# Altium PCB 400118.PcbDoc (part 3 of 3)
Units mil, origin at the board's own origin, x right, y up, seen from the top; angles counter-clockwise.
Board outline 4000 x 2500 mil, 4 copper layers (Top Layer, Mid-Layer 1, Mid-Layer 2, Bottom Layer), stack 62.293 mil thick; 195 components, 149 nets, 899 pads, 588 vias.
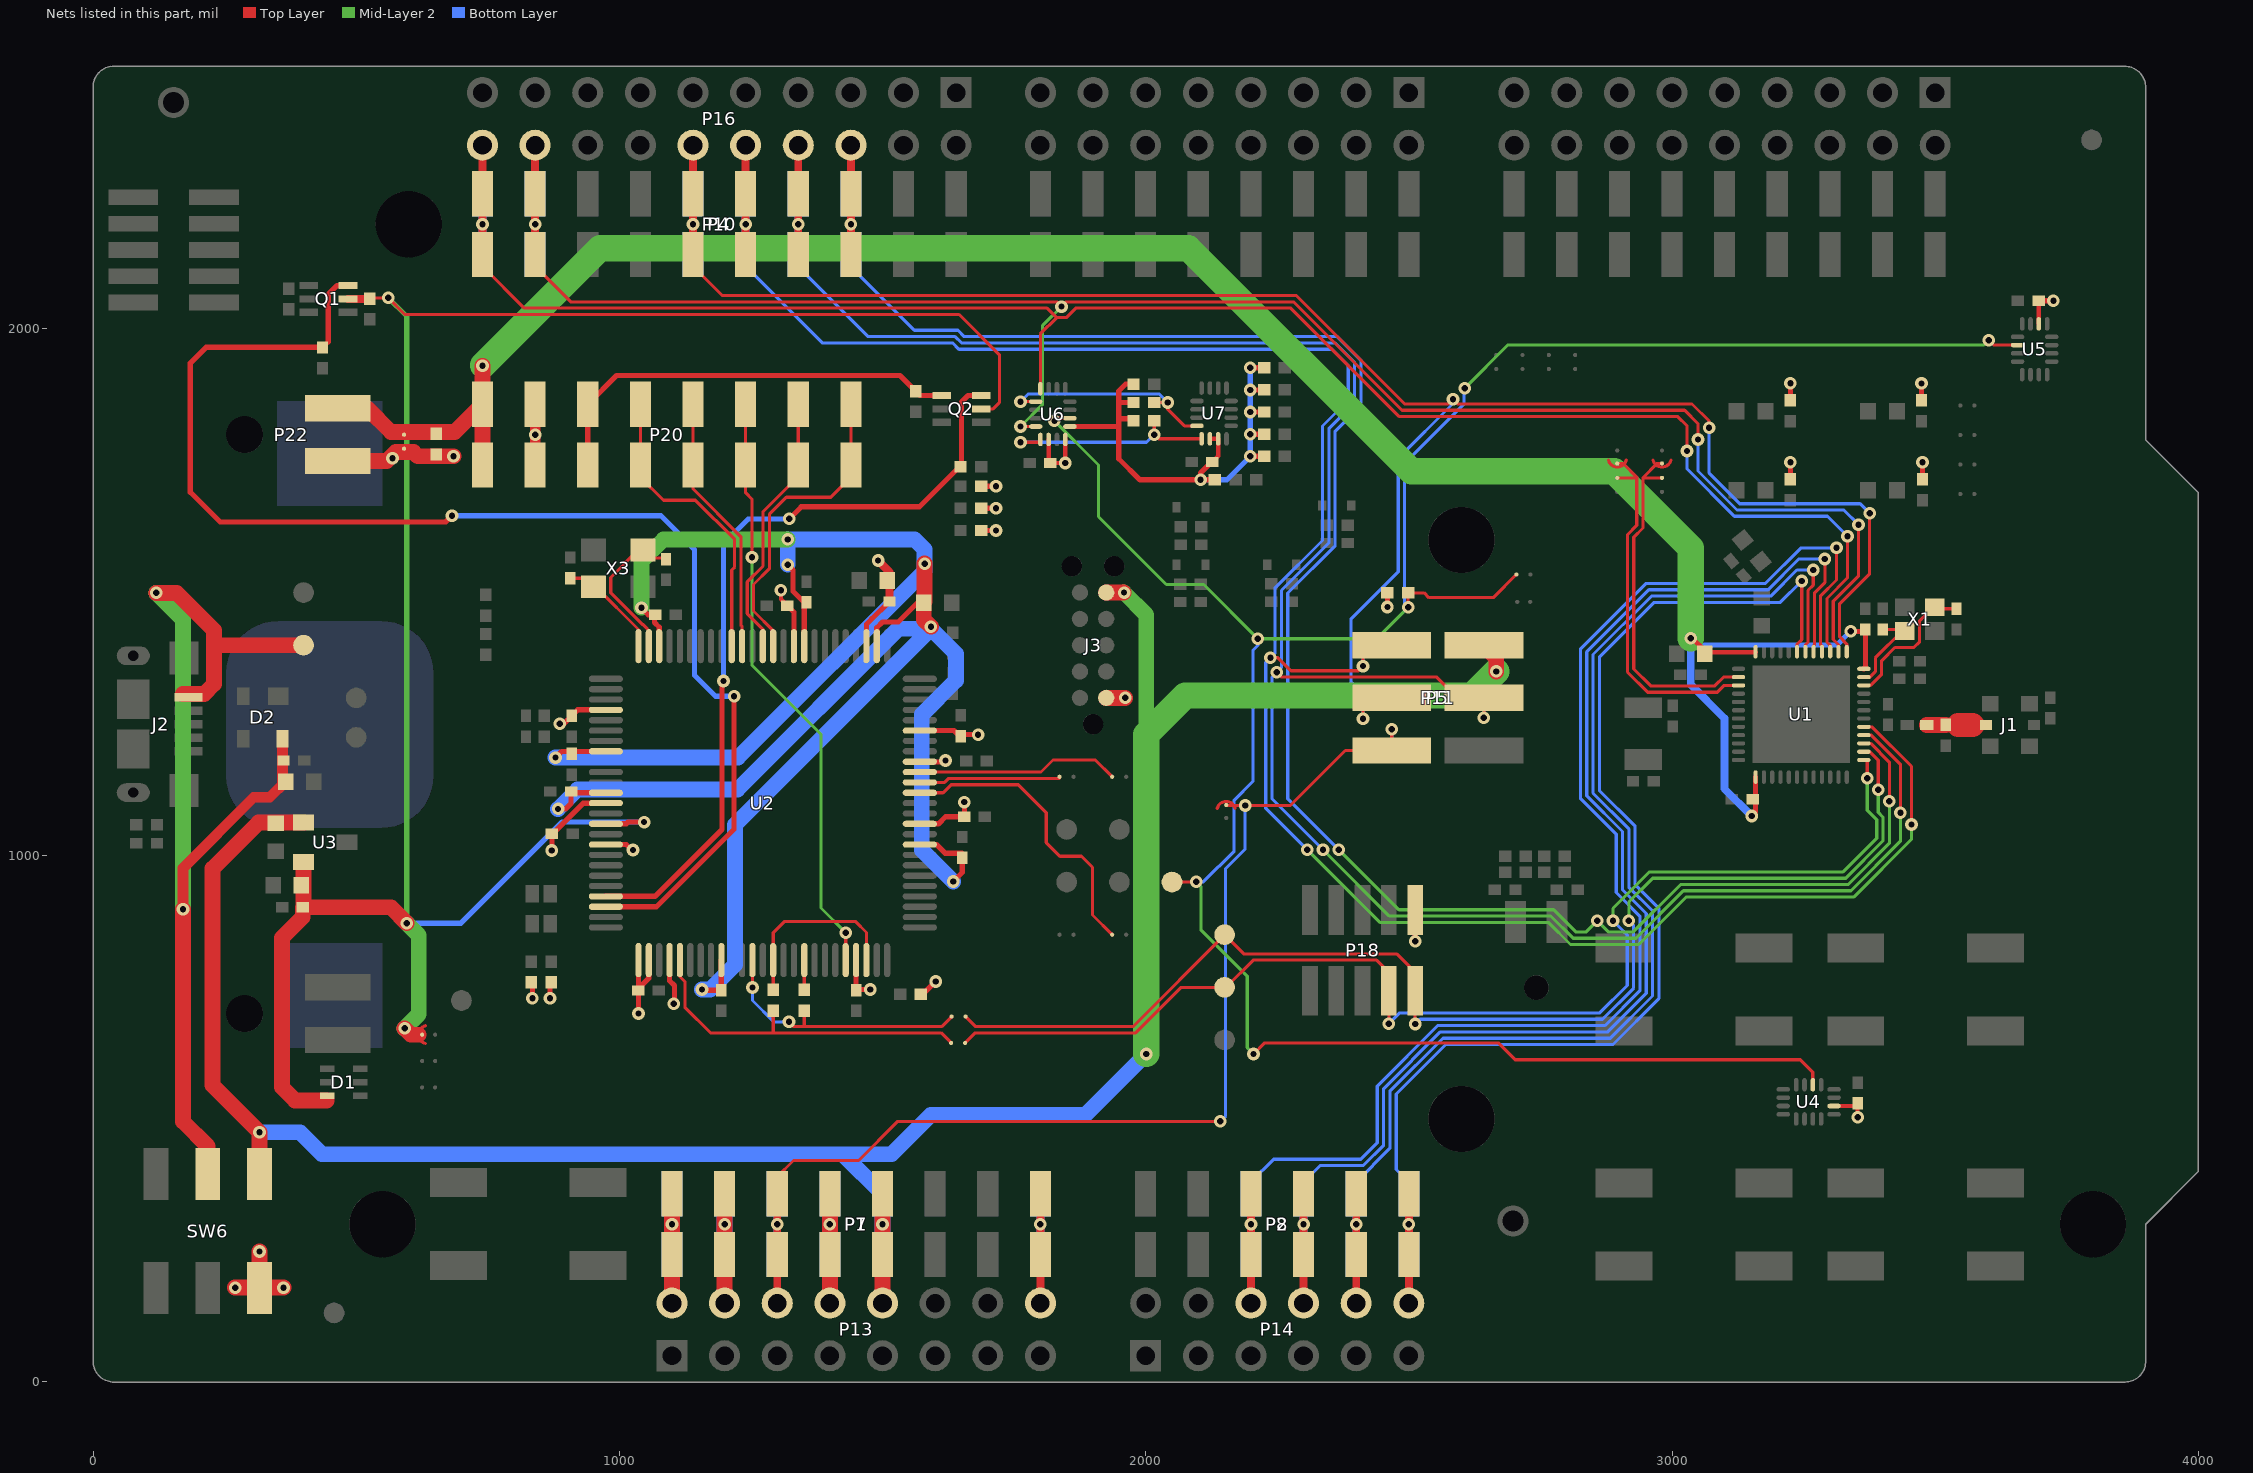
[diagram p5: the nets of this part, all layers, seen from the top]

## Via types
v1: diameter 24, hole 12, Top Layer to Bottom Layer, tented both sides, 551 vias
v2: diameter 24, hole 12, Top Layer to Bottom Layer, 21 vias
v3: diameter 25.98, hole 12.99, Top Layer to Bottom Layer, tented both sides, 16 vias

## Nets (pads, with @x,y where several pads share a name; then routed paths per layer and width w, separated by ;. In a path a pad name is that pad's centre, name@x,y a point inside that pad or via, vN(x,y) a via of type N, cw(c..) or ccw(c..) an arc to the next point about the centre after c; other vN are vias at no path point) (continued)
P0.22: P4.3 P10.3 P16.6 U1.27 | length 3855.2
  Top Layer w6: U1.27@3364.09,1212.51 3376.85,1212.51 3412.54,1176.82 v1(3412.54,1102.49)
  Top Layer w15: P4.3@1439.54,2118.06 v1(1439.54,2199.07) P4.3@1439.54,2256.74 P16.6@1439.54,2349.06
  Mid-Layer 2 w6: v1(2366.54,1010.46) 2480.54,896.46 2774.54,896.46 2816.54,854.46 2836.54,854.46 v1(2857.54,875.46) 2878.54,854.46 2926.27,854.46 3016.27,944.46 3334.54,944.46 3412.54,1022.46 v1(3412.54,1102.49)
  Bottom Layer w6: P10.3@1439.54,2141.39 1439.54,2118.07 1560.14,1997.46 1642.91,1997.46 1654.91,1985.46 2363.54,1985.46 2408.54,1940.46 2408.54,1854.63 2359.54,1805.63 2359.54,1588.2 2269.54,1498.2 2269.54,1107.35 v1(2366.54,1010.46)
  Bottom Layer w15: P10.3@1439.54,2141.39 v1(1439.54,2199.07) P10.3@1439.54,2256.74
P0.23: P4.4 P5.4 P10.4 P11.4 P16.8 U1.28 | length 4527.4
  Top Layer w6: v1(2248.54,1347.46) 2257.54,1338.46 2552.54,1338.46 2591.94,1299.06 P5.4@2642.04,1299.06 v1(2642.04,1261.06) ; U1.28@3364.09,1228.25 3378.07,1228.25 3433.54,1172.79 v1(3433.54,1080.49)
  Top Layer w15: P4.4@1339.54,2118.06 v1(1339.54,2199.07) P4.4@1339.54,2256.74 P16.8@1339.54,2349.06
  Mid-Layer 2 w6: v1(2336.54,1010.46) 2462.54,884.46 2769.56,884.46 2811.56,842.46 2931.24,842.46 3021.24,932.46 3339.56,932.46 3433.54,1026.44 v1(3433.54,1080.49)
  Bottom Layer w6: P10.4@1339.54,2141.39 1339.54,2118.07 1472.14,1985.46 1637.54,1985.46 1649.54,1973.46 2358.56,1973.46 2396.54,1935.49 2396.54,1859.6 2347.54,1810.6 2347.54,1593.17 2257.54,1503.17 2257.54,1356.46 v1(2248.54,1347.46) 2239.54,1338.46 2239.54,1107.46 v1(2336.54,1010.46) ; v1(2642.04,1261.06) 2642.04,1299.06 P11.4@2665.76,1299.06
  Bottom Layer w15: P10.4@1339.54,2141.39 v1(1339.54,2199.07) P10.4@1339.54,2256.74
P0.24: P4.5 P5.1 P10.5 P11.1 P16.10 U1.29 | length 4444
  Top Layer w6: v1(2236.54,1375.46) 2250.36,1375.46 2275.36,1350.46 2403.54,1350.46 v1(2412.54,1359.46) P5.1@2412.54,1398.46 ; U1.29@3364.09,1244 3379.3,1244 3454.54,1168.76 v1(3454.54,1058.49)
  Top Layer w15: P4.5@1239.54,2119.06 v1(1239.54,2199.07) P4.5@1239.54,2256.74 P16.10@1239.54,2349.06
  Mid-Layer 2 w6: v1(2306.54,1010.46) 2444.54,872.46 2764.59,872.46 2806.59,830.46 2936.21,830.46 3026.21,920.46 3344.54,920.46 3454.54,1030.46 v1(3454.54,1058.49)
  Bottom Layer w6: P10.5@1239.54,2141.39 1239.54,2119.07 1385.14,1973.46 1632.56,1973.46 1644.56,1961.46 2353.59,1961.46 2384.54,1930.52 2384.54,1864.57 2335.54,1815.57 2335.54,1598.14 2245.54,1508.14 2245.54,1384.46 v1(2236.54,1375.46) ; v1@2236.54,1374.46 v1(2236.54,1375.46) ; v1(2306.54,1010.46) 2227.54,1089.46 2227.54,1366.46 v1(2236.54,1375.46) ; v1(2412.54,1359.46) P11.1@2412.54,1399.46
  Bottom Layer w15: P10.5@1239.54,2141.39 v1(1239.54,2199.07) P10.5@1239.54,2256.74
P0.25: P4.6 P5.3 P10.6 P11.3 P16.12 U1.37 | length 3916.4
  Top Layer w6: P4.6@1139.54,2119.06 1195.14,2063.46 2285.54,2063.46 2491.54,1857.46 2574.54,1857.46 v1(2583.54,1866.46) 2592.54,1857.46 3037.54,1857.46 3070,1825 v1(3070,1812) ; v1(2412.54,1259.46) P5.3@2412.54,1297.46 ; U1.37@3331.61,1386.72 3331.61,1401.23 3318,1414.85 3318,1477.99 3375,1534.99 v1(3375,1650)
  Top Layer w15: P4.6@1139.54,2119.06 v1(1139.54,2199.07) P4.6@1139.54,2256.74 P16.12@1139.54,2349.06
  Bottom Layer w6: v1(2412.54,1259.46) P11.3@2412.54,1297.46 ; P11.3@2419.72,1299.06 P11.3@2443.32,1299.06 2419.94,1299.06 2389.54,1329.46 2389.54,1448.46 2479.54,1538.46 2479.54,1754.34 2583.54,1858.34 v1(2583.54,1866.46) ; v1(3070,1812) 3070,1725.97 3127.97,1668 3357,1668 v1(3375,1650)
  Bottom Layer w15: P10.6@1139.54,2141.39 v1(1139.54,2199.07) P10.6@1139.54,2256.74
P0.26: P4.9 P10.9 P16.18 U1.38 U6.12 | length 3677.8
  Top Layer w6: P4.9@839.54,2119.06 907.14,2051.46 1830.54,2051.46 v1(1839.54,2042.46) 1848.54,2051.46 2280.51,2051.46 2486.51,1845.46 3023.54,1845.46 3049,1820 v1(3049,1790) ; v1(1761.68,1814.61) U6.12@1790.68,1814.61 ; U1.38@3315.87,1386.72 3315.87,1400.01 3306,1409.88 3306,1482.96 3354,1530.96 v1(3354,1628)
  Top Layer w15: P4.9@839.54,2119.06 v1(839.54,2199.07) P4.9@839.54,2256.74 P16.18@839.54,2349.06
  Mid-Layer 2 w6: v1(1761.68,1814.61) 1803.84,1856.78 1803.84,2006.77 v1(1839.54,2042.46)
  Bottom Layer w6: v1(3049,1790) 3049,1730 3123,1656 3326,1656 v1(3354,1628)
  Bottom Layer w15: P10.9@839.54,2141.39 v1(839.54,2199.07) P10.9@839.54,2256.74
P0.27: P4.10 P10.10 P16.20 U1.39 U6.8 | length 3600
  Top Layer w6: P4.10@739.54,2119.06 819.14,2039.46 1812.36,2039.46 1830.36,2021.46 ; U6.8@1799.53,1886.46 1799.53,1990.64 1830.36,2021.46 ; v1(3028,1768) 3028,1816 3010.54,1833.46 2481.54,1833.46 2275.54,2039.46 1866.54,2039.46 1848.54,2021.46 1830.36,2021.46 ; U1.39@3300.12,1386.72 3300.12,1398.79 3294,1404.91 3294,1487.93 3333,1526.93 v1(3333,1606)
  Top Layer w15: P4.10@739.54,2119.06 v1(739.54,2199.07) P4.10@739.54,2256.74 P16.20@739.54,2349.06
  Bottom Layer w6: v1(3028,1768) 3028,1734.03 3118.03,1644 3295,1644 v1(3333,1606)
  Bottom Layer w15: P10.10@739.54,2141.39 v1(739.54,2199.07) P10.10@739.54,2256.74
P0.28: P2.3 P8.3 P14.6 U1.40 | length 2770.9
  Top Layer w6: U1.40@3284.37,1386.72 3284.37,1397.57 3282,1399.94 3282,1493 3312,1523 v1(3312,1584)
  Top Layer w15: P14.6@2199.54,149.06 P2.3@2199.54,241.39 v1(2199.54,299.07) P2.3@2199.54,356.74
  Bottom Layer w6: P8.3@2199.54,356.74 2199.54,379.46 2242.54,422.46 2408.21,422.46 2439.54,453.79 2439.54,561.46 2554.54,676.46 2872.48,676.46 2938.54,742.52 2938.54,884.29 2893.54,929.29 2893.54,1040.23 2825.54,1108.23 2825.54,1391.46 2950.54,1516.46 3177.27,1516.46 3244.81,1584 v1(3312,1584)
  Bottom Layer w15: P8.3@2199.54,241.39 v1(2199.54,299.07) P8.3@2199.54,356.74
P0.29: P2.4 P8.4 P14.8 U1.41 | length 2614.3
  Top Layer w6: U1.41@3268.62,1386.72 3268.62,1398.34 3270,1399.71 3270,1498 3290,1518 v1(3290,1563)
  Top Layer w15: P14.8@2299.54,149.06 P2.4@2299.54,241.39 v1(2299.54,299.07) P2.4@2299.54,356.74
  Bottom Layer w6: P8.4@2299.54,379.07 2330.93,410.46 2413.21,410.46 2451.54,448.79 2451.54,556.46 2559.54,664.46 2877.45,664.46 2950.54,737.55 2950.54,889.26 2905.54,934.26 2905.54,1045.2 2837.54,1113.2 2837.54,1386.41 2955.59,1504.46 3182.24,1504.46 3240.78,1563 v1(3290,1563)
  Bottom Layer w15: P8.4@2299.54,241.39 v1(2299.54,299.07) P8.4@2299.54,379.07
P0.30: P2.5 P8.5 P14.10 U1.42 | length 2451.5
  Top Layer w6: U1.42@3252.87,1386.72 3252.87,1399.56 3258,1404.68 3258,1503.25 3268,1513.25 v1@3268,1533
  Top Layer w15: P14.10@2399.54,149.06 P2.5@2399.54,241.39 v1(2399.54,299.07) P2.5@2399.54,356.74
  Bottom Layer w6: P8.5@2399.54,379.07 2463.54,443.07 2463.54,551.49 2564.51,652.46 2882.42,652.46 2962.54,732.58 2962.54,894.23 2917.54,939.23 2917.54,1050.17 2849.54,1118.17 2849.54,1381.44 2960.57,1492.46 3187.21,1492.46 3236.75,1542 v1(3268,1542)
  Bottom Layer w15: P8.5@2399.54,241.39 v1(2399.54,299.07) P8.5@2399.54,379.07
P0.31: P2.6 P8.6 P14.12 U1.43 | length 2374.7
  Top Layer w6: U1.43@3237.13,1386.72 3237.13,1400.78 3246,1409.65 v1(3246,1521)
  Top Layer w15: P14.12@2499.54,149.06 P2.6@2499.54,241.39 v1(2499.54,299.07) P2.6@2499.54,356.74
  Bottom Layer w6: P8.6@2499.54,356.74 2499.54,379.07 2475.54,403.07 2475.54,546.52 2569.48,640.46 2887.39,640.46 2974.54,727.61 2974.54,899.2 2929.54,944.2 2929.54,1055.14 2861.54,1123.14 2861.54,1376.47 2965.54,1480.46 3205.46,1480.46 v1(3246,1521)
  Bottom Layer w15: P8.6@2499.54,241.39 v1(2499.54,299.07) P8.6@2499.54,356.74
PB5: Q2.3 R10.2 U2.97 | length 1490
  Top Layer w10: U2.97@973.91,921.9 1067.37,921.9 1194.54,1049.06 1194.54,1328.06 v1(1197.54,1331.06) ; v1(1322.38,1639.06) 1345.38,1662.06 1569.81,1662.06 R10.2@1645.29,1737.54 ; R10.2@1649.54,1739.24 1649.54,1861.06 1662.13,1873.66 Q2.3@1686.94,1873.66
  Bottom Layer w10: v1(1197.54,1331.06) 1197.54,1592.06 1244.54,1639.06 v1(1322.38,1639.06)
PB6: Q1.3 R11.2 U2.98 | length 2561
  Top Layer w10: R11.2@435.54,1964.75 R11.2@435.85,1965.06 ; Q1.3@483.94,2082.66 463.13,2082.66 446.54,2066.06 446.54,1975.75 R11.2@435.85,1965.06 ; v1(681.54,1645.06) 669.54,1633.06 241.22,1633.06 184.54,1689.75 184.54,1935.06 214.54,1965.06 R11.2@435.85,1965.06 ; U2.98@973.91,902.21 1070.31,902.21 1217.54,1049.44 v1(1217.54,1302.06) ; v1@1220.54,1302.06 v1@1220.54,1304.06
  Bottom Layer w10: v1(681.54,1645.06) 1078.54,1645.06 1142.54,1581.06 1142.54,1342.06 1182.54,1302.06 v1@1216.54,1302.06
RESET: P1.3 P5.5 P7.3 P11.5 P13.6 SB17.1 | length 2297.9
  Top Layer w6: P1.3@1299.54,356.74 1299.54,389.07 1330.54,420.06 1454.14,420.06 1528.54,494.46 v1(2141.54,494.46) ; SB17.1@2153.54,1094.46 2167.15,1094.46 v1(2188.54,1094.46) 2274.44,1094.46 2379.04,1199.06 P5.5@2467.04,1199.06 ; P5.5@2467.22,1199.25 v1(2467.22,1239.46)
  Top Layer w15: P13.6@1299.54,149.06 P1.3@1299.54,241.39 v1(1299.54,299.07) P1.3@1299.54,356.74
  Bottom Layer w6: v1(2141.54,494.46) 2151.54,504.46 2151.54,974.79 2188.54,1011.79 v1(2188.54,1094.46) ; P11.5@2467.22,1199.06 v1(2467.22,1239.46)
  Bottom Layer w15: P7.3@1299.54,241.39 v1(1299.54,299.07) P7.3@1299.54,356.74
RF: C13.1 J1.1 L1.2 | length 62.9
  Top Layer w20: C13.1@3519.41,1247.62 C13.1@3519.54,1247.75
  Top Layer w30: L1.2@3483.7,1247.62 C13.1@3519.41,1247.62
  Top Layer w45: 3543.41,1247.62 3570.41,1247.62
RTS: SB24.2 U2.39 | length 576.5
  Top Layer w6: U2.39@1570.37,1118.75 1614.8,1118.75 1630.17,1134.12 1757.53,1134.11 1810.59,1081.05 1810.59,1024.02 1836.53,998.07 1877.54,998.06 1898.54,977.06 1898.53,886.47 SB24.2@1935.94,849.06
RXD: SB23.2 U2.40 | length 268.7
  Top Layer w6: U2.40@1570.37,1138.44 1617.51,1138.44 1625.2,1146.12 SB23.2@1835.94,1146.12
SCL_EXT: R30.1 U6.9 U7.12 | length 428.2
  Top Layer w6: v1(1761.68,1861.86) U6.9@1790.68,1861.86 ; R30.1@2015.84,1860.24 v1(2041.47,1860.24) 2041.47,1847.46 2073.09,1815.84 U7.12@2096.99,1815.84
  Bottom Layer w6: v1(1761.68,1861.86) 1776.05,1876.24 2024.93,1876.24 ; 2025.24,1876.46 v1(2041.47,1860.24)
SDA_EXT: R29.1 U6.13 U7.13 | length 417.5
  Top Layer w6: v1(1761.68,1784.61) U6.13@1799.68,1784.61 ; R29.1@2015.84,1825.24 v1(2015.84,1799.24) 2023.84,1791.24 U7.13@2105.85,1791.24
  Bottom Layer w6: v1(1761.68,1784.61) 2001.22,1784.61 v1(2015.84,1799.24)
SH_GND_DETECT: P20.8 U2.62 | length 601.1
  Top Layer w6: U2.62@1291.83,1397.29 1291.83,1426.77 1254.54,1464.06 1254.54,1514.39 1284.54,1544.39 1284.54,1647.66 1316.94,1680.06 1401.54,1680.06 1439.54,1718.06 P20.8@1439.54,1856.74
SH_RESET: P20.7 U2.63 | length 511.9
  Top Layer w6: U2.63@1272.14,1397.29 1272.14,1429.49 1242.54,1459.09 1242.54,1519.36 1272.54,1549.36 1272.54,1652.66 1339.54,1719.66 P20.7@1339.54,1741.39 P20.7@1339.54,1856.74
SH_SWDCLK: P20.5 U2.65 | length 498.1
  Top Layer w6: P20.5@1139.54,1856.74 1139.54,1696.06 1230.54,1605.06 1230.54,1437.15 1232.77,1434.92 U2.65@1232.77,1397.29
SH_SWDIO: P20.4 U2.66 | length 567.7
  Top Layer w6: P20.4@1039.54,1741.39 1039.54,1718.35 1083.38,1674.5 1144.1,1674.5 1218.54,1600.06 1218.54,1547.5 1213.09,1542.06 U2.66@1213.09,1397.29 ; P20.4@1039.54,1745.06 P20.4@1039.54,1856.74
SH_SWO: P20.6 U2.21 | length 1134.6
  Top Layer w6: P20.6@1239.54,1856.74 P20.6@1239.54,1741.39 1239.54,1688.5 1251.54,1676.5 v1(1251.54,1566.39) ; U2.21@1429.62,800.84 v1(1429.62,852.84)
  Mid-Layer 2 w6: v1(1251.54,1566.39) 1251.54,1360.92 1382.62,1229.84 1382.62,899.84 v1(1429.62,852.84)
SH_VTG: P20.3 Q2.4 R9.1 | length 941.6
  Top Layer w6: P20.3@939.54,1741.39 P20.3@939.54,1856.74
  Top Layer w10: P20.3@939.54,1741.39 P20.3@939.54,1856.74 994.26,1911.46 1532.82,1911.46 R9.1@1562.54,1881.75 1570.63,1873.66 Q2.4@1612.13,1873.66
SHIELD_DETECT: R39.1 SB19.2 TP15.1 U4.2 U5.2 U6.2 | length 4825.4
  Top Layer w6: v1(1826.16,1825.24) 1831.28,1830.36 U6.2@1855.64,1830.36 ; TP15.1@2049.54,949.06 2095.14,949.06 v1(2095.54,949.46) ; v1(2204.54,622.46) 2225.54,643.46 2669.51,643.46 2701.51,611.46 3243.2,611.46 3267.07,587.59 U4.2@3267.07,563.95 ; v1(2498.54,1471.46) 2498.22,1471.78 R39.1@2498.22,1498.46 2528.54,1498.46 2537.54,1489.46 2659.94,1489.46 SB19.2@2703.94,1533.46 ; v1(3601.54,1978.46) 3610.54,1969.46 3655.93,1969.46 U5.2@3656.05,1969.34
  Mid-Layer 2 w6: v1(1826.16,1825.24) 1909.84,1741.55 1909.84,1643.46 2038.84,1514.46 2109.54,1514.46 v1(2212.54,1411.46) 2438.54,1411.46 v1(2498.54,1471.46) ; v1(2095.54,949.46) 2104.54,940.46 2104.54,858.46 2192.54,770.46 2192.54,634.46 v1(2204.54,622.46) ; v1(2605.54,1887.46) 2687.54,1969.46 3592.54,1969.46 v1(3601.54,1978.46)
  Bottom Layer w6: v1(2095.54,949.46) 2109.24,949.46 2167.54,1007.76 2167.54,1104.46 2203.54,1140.46 2203.54,1389.46 2212.54,1398.46 v1(2212.54,1411.46) ; v1(2498.54,1471.46) 2491.54,1478.46 2491.54,1744.77 2604.54,1857.77 2604.54,1886.46 v1(2605.54,1887.46)
SWDCLK: P18.4 SB21.1 TP10.1 U1.25 | length 2328
  Top Layer w6: SB21.1@1656.55,643.46 1675.55,662.46 1980.54,662.46 2067.14,749.06 TP10.1@2149.54,749.06 2152.14,749.06 2203.76,800.69 2438.31,800.69 2461.54,777.46 P18.4@2461.54,745.69 ; v1(2461.54,679.69) P18.4@2461.54,742.46 ; v1(3370.54,1146.49) U1.25@3370.54,1181.49
  Mid-Layer 2 w6: v1(2887.54,875.46) 2887.54,899.16 2956.84,968.46 3324.56,968.46 3388.54,1032.44 3388.54,1067.46 3370.54,1085.46 v1(3370.54,1146.49)
  Bottom Layer w6: v1(2461.54,679.69) 2482.31,700.46 2862.54,700.46 2914.54,752.46 2914.54,848.46 v1(2887.54,875.46)
SWDIO: P18.2 SB20.1 TP9.1 U1.26 | length 2391.2
  Top Layer w6: SB20.1@1657.55,693.46 1676.55,674.46 1975.54,674.46 2149.84,848.76 2185.91,812.69 2476.31,812.69 2511.54,777.46 P18.2@2511.54,745.69 ; v1(2511.54,679.46) P18.2@2511.54,742.46 ; U1.26@3364.09,1196.76 3375.5,1196.76 3391.54,1180.72 v1(3391.54,1124.49)
  Mid-Layer 2 w6: v1(2917.54,875.46) 2917.54,911.16 2962.84,956.46 3329.56,956.46 3400.54,1027.44 3400.54,1072.44 3391.54,1081.44 v1(3391.54,1124.49)
  Bottom Layer w6: v1(2511.54,679.46) 2520.54,688.46 2867.51,688.46 2926.54,747.49 2926.54,866.46 v1(2917.54,875.46)
TCKIN: R16.2 SB21.2 U2.5 | length 669.8
  Top Layer w6: U2.5@1114.66,800.84 1114.66,769.55 1124.14,760.07 1124.14,711.07 1172.74,662.46 1291.88,662.46 ; R16.2@1291.88,704.78 1291.88,662.46 ; SB21.2@1629.95,643.46 1610.95,662.46 1291.88,662.46
TCKOUT: R16.1 U2.14 U2.23 | length 343.6
  Top Layer w6: 1291.83,756.44 U2.14@1291.83,800.84 1291.83,853.04 1312.62,873.84 1448.62,873.84 1469.14,853.32 1469.14,800.99 U2.23@1468.99,800.84
TMSIN: R15.2 SB20.2 U2.12 | length 513.8
  Top Layer w6: v1(1252.46,748.84) U2.12@1252.46,800.84 ; v1(1321.88,683.46) 1330.88,674.46 1611.95,674.46 SB20.2@1630.95,693.46 ; 1350.88,674.72 R15.2@1350.88,704.78
  Bottom Layer w6: v1(1252.46,748.84) 1252.46,724 1292.99,683.46 v1(1321.88,683.46)
TMSOUT: R15.1 U2.17 | length 56.7
  Top Layer w6: R15.1@1350.88,744.15 U2.17@1350.88,800.84
TXD: SB25.2 U2.41 | length 388.3
  Top Layer w6: U2.41@1570.37,1158.12 1800.59,1158.12 1823.54,1181.06 1903.94,1181.06 SB25.2@1935.94,1149.06
USB_DETECT: C17.2 C18.2 D1.6 Q1.2 Q2.2 R7.1 SB10.2 U2.90 U3.2 | length 4223
  Top Layer w6: R7.1@525.54,2057.75 526.85,2059.06 v1(560.54,2059.06) 592.14,2027.46 1645.14,2027.46 1721.71,1950.89 1721.71,1860.1 1709.67,1848.06 Q2.2@1686.94,1848.06
  Top Layer w10: U2.90@973.91,1059.7 1012.64,1059.7 1016.01,1063.06 v1(1046.54,1063.06)
  Top Layer w15: Q1.2@483.94,2057.06 R7.1@524.85,2057.06
  Top Layer w30: U3.2@399.54,987.26 399.53,902.38 C18.2@398.22,901.07 ; 443.54,534.06 383.54,534.06 358.54,559.06 358.54,843.06 398.22,882.75 C18.2@398.22,901.07 ; v1(591.54,671.06) 603.54,659.06 618.54,659.06 ; v1(595.54,871.06) 565.53,901.07 C18.2@398.22,901.07
  Mid-Layer 2 w10: v1(560.54,2059.06) 595.54,2024.06 v1(595.54,871.06)
  Mid-Layer 2 w30: v1(591.54,671.06) 618.54,698.06 618.54,848.06 v1(595.54,871.06)
  Bottom Layer w10: v1(595.54,871.06) 698.54,871.06 890.54,1063.06 v1(1046.54,1063.06)
V5V: C16.2 J3.5 P1.5 P5.2 P7.5 P11.2 P13.10 SW6.6 U3.1 | length 4880
  Top Layer w30: SW6.6@315.96,394.33 v1(315.96,473.64) 226.54,563.06 226.54,974.64 313.96,1062.06 U3.1@399.54,1062.06 ; P13.10@1499.54,149.06 P1.5@1499.54,241.39 v1(1499.54,299.07) P1.5@1499.54,356.74 ; J3.5@1924.53,1499.06 v1@1957.53,1499.06 ; P5.2@2642.04,1399.06 2665.76,1375.34 v1(2665.76,1349.29)
  Mid-Layer 2 w30: v1(1958.54,1499.06) 2000.54,1457.06 2000.54,1137.46
  Mid-Layer 2 w50: v1(2000.54,622.46) 2000.54,1229.46 2074.54,1303.46 2619.94,1303.46 v1(2665.76,1349.29)
  Bottom Layer w30: v1(315.96,473.64) 392.96,473.64 434.54,432.06 1424.21,432.06 ; P7.5@1499.54,241.39 v1(1499.54,299.07) P7.5@1499.54,356.74 1424.21,432.06 ; v1(2000.54,622.46) 1885.14,507.06 1591.54,507.06 1516.54,432.06 1424.21,432.06 ; v1(2665.76,1349.29) P11.2@2665.76,1399.06
VBUS: C20.2 C21.2 D2.4 J2.1 SW6.5 TP3.1 | length 2047.6
  Top Layer w20: v1(170.54,897.46) 170.54,975.46 305.14,1110.06 335.57,1110.06 C20.2@365.57,1140.06 ; C20.2@359.54,1137.07 D2.4@359.54,1221.71
  Top Layer w30: v1(119.54,1498.46) 158.54,1498.46 229.54,1427.46 229.54,1325.22 210.78,1306.46 J2.1@170.54,1306.46 ; v1(170.54,897.46) 170.54,494.06 217.54,447.06 SW6.5@217.54,394.33 ; 230.94,1399.06 TP3.1@399.54,1399.06
  Mid-Layer 2 w30: v1(119.54,1498.46) 170.54,1447.46 v1(170.54,897.46)
VCORE: C25.2 C27.2 C31.2 C34.2 C36.1 C39.2 C40.2 U2.9 U2.34 U2.52 U2.59 U2.73 U2.83 U2.87 | length 4851.6
  Top Layer w10: v1(878.14,1185.6) 889.61,1197.07 U2.83@973.49,1197.07 ; v1(883.14,1088.07) 897.25,1088.07 907.83,1098.64 C40.2@907.83,1121.07 ; C40.2@914.5,1118.75 U2.87@973.91,1118.75 ; v1(1041.54,1470.06) 1054.53,1457.07 C36.1@1066.5,1457.07 ; C36.1@1067.46,1457.07 C36.1@1066.5,1457.07 ; U2.73@1075.29,1397.29 1075.29,1433.31 1066.5,1442.1 C36.1@1066.5,1457.07 ; v1(1156.54,745.07) 1157.85,743.75 C25.2@1193.14,743.75 ; C25.2@1193.4,744.73 U2.9@1193.4,800.84 ; v1(1319.54,1552.06) 1329.54,1542.06 1329.54,1501.7 1339.54,1491.7 C34.2@1353,1478.24 ; U2.59@1350.88,1397.29 1350.88,1476.12 C34.2@1353,1478.24 ; C34.2@1355.14,1480.38 C34.2@1353,1478.24 ; U2.52@1488.68,1397.29 1488.68,1432.18 1499.57,1443.06 1529.54,1443.06 1566.54,1480.07 C31.2@1577.96,1480.07 ; U2.34@1570.37,1020.33 1601.88,1020.33 1618.14,1004.07 C27.2@1649.47,1004.07 ; v1(1634.14,950.06) 1651.14,967.06 C27.2@1651.14,995.38 ; C27.2@1650.46,997.75 C27.2@1650.46,1004.07
  Top Layer w30: v1(1579.54,1554.06) 1579.54,1481.64 C31.2@1577.96,1480.07 1577.96,1447.64 v1(1591.54,1434.06)
  Mid-Layer 2 w30: v1(1041.54,1470.06) 1041.54,1558.06 1083.54,1600.06 v1(1319.54,1600.06)
  Bottom Layer w30: v1(878.14,1185.6) 1225.07,1185.6 1579.54,1540.06 v1(1579.54,1554.06) 1579.54,1581.06 1560.54,1600.06 v1(1319.54,1600.06) v1(1319.54,1552.06) ; v1(883.14,1088.07) 920.14,1125.07 1224.14,1125.07 1529.54,1430.46 v1@1591.54,1430.46 ; v1(1156.54,745.07) 1172.14,745.07 1219.14,792.07 1219.14,1058.07 v1@1591.54,1430.46 ; v1(1634.14,950.06) 1574.14,1010.07 1574.14,1267.23 1639.14,1332.23 1639.14,1382.85 v1@1591.54,1430.46
VDD_NRF: C5.1 C8.1 C9.1 P20.1 P22.1 R6.2 SB9.1 U1.13 U1.36 U1.48 | length 4322.1
  Top Layer w9: v1(3035.16,1412.39) 3038.42,1412.39 3061.73,1389.08 3065.08,1385.73 U1.48@3158,1385.73 ; v1(3151,1074.62) 3158.39,1082.01 U1.13@3158.39,1148.53
  Top Layer w10: v1(3339,1425.62) 3339.69,1424.94 3367,1424.94 3367,1357.14 U1.36@3364.09,1354.24
  Top Layer w15: C9.1@3061.73,1382.39 C9.1@3061.73,1389.08
  Top Layer w30: P22.1@464.54,1849.06 520.54,1849.06 565.54,1804.06 686.86,1804.06 P20.1@739.54,1856.74 ; P20.1@739.54,1741.39 P20.1@739.54,1856.74 ; v1(739.54,1930.06) P20.1@739.54,1856.74
  Mid-Layer 2 w50: v1@740.54,1931.06 962.94,2153.46 2080.54,2153.46 2504.54,1729.46 2889.54,1729.46 3035.16,1583.84 v1(3035.16,1412.39)
  Bottom Layer w10: v1(3035.16,1412.39) 3047.92,1399.62 3313,1399.62 ; 3313.41,1399.62 3313,1399.62 ; v1(3339,1425.62) 3313,1399.62
  Bottom Layer w15: v1(3035.16,1412.39) 3035.16,1324.28 3099.05,1260.39 3099.05,1126.57 v1(3151,1074.62)
VEXT: C47.2 R29.2 R30.2 R31.2 R32.2 R33.2 R34.2 R35.2 R36.2 R37.2 U6.1 U7.14 U7.15 | length 1033.9
  Top Layer w8: U7.14@2121.6,1791.24 U7.15@2137.34,1791.24 2137.34,1758.37 C47.2@2126.21,1747.24
  Top Layer w10: U6.1@1855.64,1814.61 1948.47,1814.61 ; R29.2@1976.47,1825.24 1972.47,1829.24 1951.54,1829.24 1948.47,1832.31 ; R30.2@1976.47,1860.24 1948.47,1860.24 ; R31.2@1976.47,1895.24 1961.71,1895.24 1948.47,1882 1948.47,1860.24 ; C47.2@2125.53,1747.92 2103.84,1726.24 v1(2103.84,1713.24) ; R37.2@2131.16,1713.24 v1(2103.84,1713.24) ; v1(2198.47,1758.09) R32.2@2224.79,1758.09 ; v1(2198.47,1800.09) R33.2@2224.79,1800.09 ; v1(2198.47,1842.09) R34.2@2224.79,1842.09 ; v1(2198.47,1884.09) R35.2@2224.79,1884.09 ; v1(2198.47,1926.09) R36.2@2224.79,1926.09 ; 1948.47,1814.61 1948.47,1753.46 1988.7,1713.24 v1(2103.84,1713.24) ; 1948.47,1814.61 1948.47,1832.31 ; 1948.47,1832.31 1948.47,1860.24
  Bottom Layer w10: v1(2103.84,1713.24) 2153.62,1713.24 v1(2198.47,1758.09) v1(2198.47,1800.09) v1(2198.47,1842.09) v1(2198.47,1884.09) v1(2198.47,1926.09)
VIN: P1.8 P7.8 P13.16 | length 323
  Top Layer w15: P13.16@1799.54,149.06 P1.8@1799.54,241.39 v1(1799.54,299.07) P1.8@1799.54,356.74
  Bottom Layer w15: P7.8@1799.54,241.39 v1(1799.54,299.07) P7.8@1799.54,356.74
VIO: C24.2 C26.2 C28.2 C29.2 C32.2 C33.2 C35.2 C38.2 C41.2 C44.2 C45.2 C46.2 J3.1 P1.1 P1.2 P1.4 P7.1 P7.2 P7.4 P13.2 P13.4 P13.8 P18.1 P20.2 P22.2 R1.2 R2.2 R3.2 R4.2 R5.2 R6.1 R19.2 R20.2 R21.2 R22.2 R23.2 R39.2 SB9.2 SW6.3 U2.1 U2.2 U2.4 U2.22 U2.36 U2.42 U2.45 U2.53 U2.60 U2.79 U2.88 U2.92 U4.14 U5.14 U6.14 U6.16 | length 3478.5
  Top Layer w6: P20.2@839.54,1728.07 P20.2@839.54,1741.39 ; U2.88@973.91,1099.07 U2.88@980.54,1099.07
  Top Layer w8: v1(1306.54,1503.39) 1306.54,1486.36 C35.2@1318.83,1474.07 ; C46.2@1812.28,1749.81 1816.69,1745.4 C46.2@1816.85,1745.24 ; C46.2@1815.28,1748.48 U6.14@1815.28,1790.01 ; C46.2@1818.53,1745.24 v1(1846.53,1745.24) ; v1@1846.78,1745.24 U6.16@1846.78,1790.01 ; U4.14@3307.43,523.59 3352.01,523.59 C44.2@3352.2,523.78 ; v1(3352.2,502.46) C44.2@3352.2,523.78 ; C44.2@3352.2,528.78 C44.2@3352.2,523.78 ; C45.2@3696.22,2053.46 3696.41,2053.28 U5.14@3696.41,2009.69
  Top Layer w10: v1@834.41,729.07 R20.2@834.41,758.38 ; v1@867.87,728.07 R19.2@867.87,758.38 ; v1@871.46,1009.07 C41.2@871.46,1041.07 ; C41.2@874.46,1042.38 931.14,1099.07 U2.88@973.91,1099.07 ; v1@885.14,1250.07 v1(886.14,1250.07) 894.46,1250.07 C38.2@909.14,1264.75 ; C38.2@909.46,1265.07 920.62,1276.23 U2.79@973.91,1276.23 ; U2.92@973.91,1020.33 1012.75,1020.33 1023.01,1010.06 v1(1025.54,1010.06) ; v1(1035.92,699.29) U2.1@1035.92,800.84 ; C24.2@1036.14,747.07 1055.61,766.53 U2.2@1055.61,800.84 ; U2.4@1094.98,800.84 1094.98,761.68 1104.14,752.51 v1@1104.14,718.07 ; C35.2@1318.83,1474.07 1331.2,1461.7 U2.60@1331.2,1397.29 ; C26.2@1449.31,751.58 U2.22@1449.31,800.84 ; C26.2@1450.85,745.06 v1(1476.54,745.06) ; U2.53@1468.99,1397.29 1468.99,1438.92 1479.34,1449.26 1508.72,1478.64 C32.2@1508.72,1482.07 ; U2.36@1570.37,1059.7 1605.77,1059.7 1619.14,1073.07 C28.2@1654.46,1073.07 1655.14,1073.75 v1(1655.14,1101.07) ; U2.42@1570.37,1177.81 1571.11,1177.07 v1@1619.14,1177.07 ; U2.45@1570.37,1236.86 1635.35,1236.86 1642.83,1229.38 v1@1685.83,1229.38 ; R5.2@1572.22,736.06 1576.54,736.06 v1(1600.54,760.06) ; R21.2@1687.06,1617.07 v1(1715.22,1617.07) ; R22.2@1687.06,1659.07 v1(1715.22,1659.07) ; R23.2@1687.06,1701.07 v1(1715.22,1701.07) ; v1(2458.85,1471.78) R39.2@2458.85,1498.46 ; v1(2511.54,836.46) P18.1@2511.54,896.01 ; R3.2@3224.54,1714.14 v1(3224.54,1746.46) ; R1.2@3224.54,1864.14 v1(3224.54,1896.77) ; R2.2@3473.54,1864.14 v1(3473.54,1896.46) ; R4.2@3475.54,1714.14 v1(3475.54,1746.46) ; C45.2@3696.22,2053.46 v1(3724.22,2053.46)
  Top Layer w15: v1(1399.54,299.07) P1.4@1399.54,356.74 ; v1(1491.14,1560.07) 1512.83,1538.38 C32.2@1512.83,1482.07
  Top Layer w20: P20.2@839.54,1741.39 P20.2@839.54,1856.74
  Top Layer w30: v1(269.54,178.53) v1(361.54,178.53) ; SW6.3@315.96,175.82 v1(315.96,247.09) ; P22.2@464.54,1749.06 557.54,1749.06 574.54,1766.06 608.54,1766.06 616.54,1758.06 v1(684.54,1758.06) ; P13.2@1099.54,149.06 P1.1@1099.54,241.39 P1.1@1099.54,356.74 ; P13.4@1199.54,149.06 v1(1199.54,299.07) P1.2@1199.54,356.74 ; P13.8@1399.54,149.06 P1.4@1399.54,356.74 ; J3.1@1924.53,1299.06 v1(1960.54,1299.06)
  Bottom Layer w30: P7.1@1099.54,241.39 P7.1@1099.54,356.74 ; P7.2@1199.54,241.39 P7.2@1199.54,356.74 ; P7.4@1399.54,241.39 P7.4@1399.54,356.74
  other v1: 1099.54,299.07 1103.14,718.07 834.41,728.38 867.87,728.38 871.14,1009.07 1619.14,1180.07 1681.14,1229.07 568.54,1754.06 839.54,1799.06
XC1: C1.1 U1.34 X1.1 | length 274.7
  Top Layer w6: U1.34@3364.09,1322.74 3376.85,1322.74 3397.89,1343.78 3397.89,1369.59 3422.92,1394.63 3459,1394.63 3470,1405.63 3470,1445.63 3492.68,1468.31 C1.1@3540,1468.31
XC2: C2.1 U1.35 X1.3 | length 167.4
  Top Layer w6: U1.35@3364.09,1338.49 3375.5,1338.49 3385.89,1348.88 3385.89,1375.07 3436.81,1425.99 X1.3@3441.45,1425.99 ; C2.1@3400,1428.94 X1.3@3438.5,1428.94
XIN: C22.1 U2.75 X3.3 | length 201.7
  Top Layer w6: C22.1@906.14,1526.38 933.88,1526.38 X3.3@950.13,1510.12 ; X3.3@950.13,1510.01 954.82,1510.01 1035.92,1428.9 U2.75@1035.92,1397.29
XL1: SB2.2 SB4.1 U1.2 | length 673.2
  Top Layer w6: SB2.2@2980.54,1717.06 2944.94,1717.06 2944.54,1717.46 ; SB4.1@2980.54,1744.46 2971.54,1744.46 2944.54,1717.46 ; U1.2@3125.91,1338.49 3097.29,1338.49 3080.64,1321.84 2959.16,1321.84 2927,1354 2927,1604.15 2944.54,1621.68 2944.54,1717.46
XL2: SB1.2 SB3.1 U1.3 | length 693.2
  Top Layer w6: SB1.2@2895.54,1717.06 2931.14,1717.06 ; SB3.1@2895.54,1744.46 2906.54,1744.46 2932.54,1718.46 2932.54,1626.65 2915,1609.12 2915,1348 2953.16,1309.84 3085.61,1309.84 3098.51,1322.74 U1.3@3125.91,1322.74
XOUT: C23.1 U2.74 X3.1 | length 294
  Top Layer w6: U2.74@1055.61,1397.29 1055.61,1426.99 1049.53,1433.06 1043.83,1438.77 1043.02,1438.77 983.14,1498.65 983.14,1527.67 1035.59,1580.12 X3.1@1044.15,1580.12 1059.52,1564.75 C23.1@1088.14,1564.75
pads on no net: Bat1.0 Fid1.0 Fid2.0 J2.4 J2.6@76.06,1119.14 J2.6@76.06,1378.99 J3.0 J3.7 J3.9 P18.7 P18.8 P19.7 P19.8 P21.0 P22.0 P23.0 SW6.1 SW6.4 U1.44 U2.6 U2.8 U2.10 U2.11 U2.13 U2.15 U2.16 U2.19 U2.25 U2.26 U2.28 U2.29 U2.30 U2.31 U2.32 U2.33 U2.37 U2.44 U2.48 U2.49 U2.50 U2.58 U2.64 U2.69 U2.86 U2.93 U2.94 U2.95 U2.96 U2.99 U2.100 U4.10 U5.10 U6.3 U6.7 U6.10 U6.11 U6.15

## Polygon pours and split planes (outlines as drawn)
VIO on Mid-Layer 2 "Mid_Layer_2-VIO" (solid, remove dead copper, pour order 10): -105.34,-142.57 -105.34,2618.94 -96.73,2635 4116.47,2635 4127.23,2655.06 4127.23,-134.54 4131.54,-142.57
GND on Bottom Layer "Bottom_Layer-GND" (solid, remove dead copper, pour order 6): -410.76,-104.07 -410.76,2686.56 -401.46,2702.78 4149.26,2702.78 4160.88,2723.06 4160.88,-95.96 4165.54,-104.07
GND on Top Layer "Top_Layer-GND" (solid, remove dead copper, pour order 8): -141.14,-94.23 -141.14,2626.47 -132.61,2642.29 4041.6,2642.29 4052.27,2662.06 4052.27,-86.33 4056.54,-94.23
GND on Mid-Layer 1 "Mid_Layer_1-GND" (solid, remove dead copper, pour order 7): -139.21,-97.46 -139.21,2579.05 -130.4,2594.61 4177.13,2594.61 4188.13,2614.06 4188.13,-89.68 4192.54,-97.46

## Keep-outs
Keep-Out Layer:
  circle w6: c549.54,299.06 r94.49
  circle w6: c3799.54,299.06 r94.49
  circle w6: c2599.54,1599.06 r94.49
  circle w6: c599.54,2199.06 r94.49
  circle w6: c2599.54,499.06 r94.49
  lines w10: 3860.54,-0.94 ccw(c3860.04,38.56) 3899.54,39.06 3899.54,299.07 3999.54,399.07 3999.54,1689.07 3899.54,1789.07 3899.54,2459.06 ccw(c3859.54,2459.06) 3859.54,2499.06 39.54,2499.06 ccw(c39.04,2459.56) -0.46,2460.06 -0.46,39.06 ccw(c39.54,39.06) 39.54,-0.94 3861.54,-0.93
Mechanical 3:
  lines w1: 208.54,1333.03 292.54,1333.03 ; 216.54,1208.06 411.14,1208.07 428.31,1190.9 526.97,1190.9 ccw(c526.97,1234.35) 557.7,1203.62 703.14,1349.07 cw(c740.97,1311.23) 740.97,1364.73 764.14,1364.74 ; 389.54,1333.03 466.57,1333.03 ccw(c466.57,1356.03) 482.84,1339.76 634.39,1491.31 cw(c686.14,1439.56) 686.14,1512.75 ; 686.14,1513.07 927.14,1513.07 cw(c927.14,1464.78) 961.28,1498.92 1059.21,1400.99 ; 763.64,1364.73 cw(c763.64,1316.45) 797.78,1350.59 895.71,1252.66 ; 997.33,1251.61 ccw(c997.33,1339.11) 1059.2,1400.98

## Other copper
Top Layer:
  rectangle net ANT: 3936.54,537.06 3986.54,567.06
  pour cut-out: 3470,1204.62 3362,1204.62 3362,1318.62 3470,1318.62
  pour cut-out: -9.48,1109.46 110.7,1109.46 110.47,1388.06 -9.46,1388.06
  pour cut-out: 341.54,730.06 429.54,730.06 429.54,560.06 341.54,560.06
  pour cut-out: 371.54,1318.06 459.54,1318.06 459.54,1251.06 371.54,1251.06
  pour cut-out: 3739.5,-50.94 4009.82,-50.94 4008.3,1787.06 3739.68,1787.06
  pour cut-out: 2382.53,1217.06 2679.56,1217.06 2679.5,1287.06 2382.54,1287.06
Mid-Layer 1:
  pour cut-out: 3739.5,-50.94 4009.82,-50.94 4008.3,1787.06 3739.68,1787.06
  pour cut-out: 3742.41,1182.62 3386.41,1182.62 3386.41,1312.62 3742.41,1312.62
Mid-Layer 2:
  pour cut-out: 3739.5,-50.94 4009.82,-50.94 4008.3,1787.06 3739.68,1787.06
  pour cut-out: 3742.41,1182.62 3386.41,1182.62 3386.41,1312.62 3742.41,1312.62
Bottom Layer:
  pour cut-out: 3739.5,-50.94 4009.82,-50.94 4008.3,1787.06 3739.68,1787.06

## Silkscreen, mask and mechanical layers (free items; w line width, h text height)
Top Overlay:
  circle w15: c1709.54,2124.06 r7.07
  circle w15: c2569.54,2124.06 r7.07
  circle w15: c3568.54,2124.46 r7.07
  circle w15: c1029.54,374.06 r7.07
  circle w15: c1929.54,374.07 r7.07
  lines w6: 2897.54,1083.62 2897.54,1633.62 3578,1633.62 3578,1083.62 2897.54,1083.62
  lines w10: 419.54,2399.06 3729.54,2399.06 ; 559.54,2449.06 669.54,2449.06 ; 659.54,2449.06 639.54,2459.06 639.54,2439.06 669.54,2449.06 ; 779.54,99.06 2810.81,99.06 ; 919.54,49.06 1029.54,49.06 ; 1019.54,49.06 999.54,59.06 999.54,39.06 1029.54,49.06 ; 2579.54,49.06 2599.54,39.06 2599.54,59.06 2569.54,49.06 ; 2679.54,49.06 2569.54,49.06 ; 3576.54,2447.07 3596.54,2437.07 3596.54,2457.07 3566.54,2447.07 ; 3676.54,2447.07 3566.54,2447.07 ; 669.54,2449.06 639.54,2429.06 639.54,2469.06 669.54,2449.06 ; 1029.54,49.06 999.54,29.06 999.54,69.06 1029.54,49.06 ; 2569.54,49.06 2599.54,29.06 2599.54,69.06 2569.54,49.06 ; 3566.54,2447.07 3596.54,2467.07 3596.54,2427.07 3566.54,2447.07
  text "GND" at 419.54,2429.06 h70
  text "GND" at 3706.54,2427.07 h70
  text "GND" at 96.54,2329.06 h70
  text "0068KJP" at 3850.54,2067.46 h60 r90
  text "400118" at 3799.23,2064.91 h80 r90
  text "P0.27" at 759.54,1963.06 h70 r90
  text "P0.26" at 859.54,1963.06 h70 r90
  text "P0.02" at 959.54,1963.06 h70 r90
  text "GND" at 1059.54,1963.06 h70 r90
  text "P0.25" at 1159.54,1963.06 h70 r90
  text "P0.24" at 1259.54,1963.06 h70 r90
  text "P0.23" at 1359.54,1963.06 h70 r90
  text "P0.22" at 1459.54,1963.06 h70 r90
  text "P0.20" at 1559.54,1963.06 h70 r90
  text "P0.19" at 1659.54,1963.06 h70 r90
  text "P0.18" at 1819.54,1963.06 h70 r90
  text "P0.17" at 1919.54,1963.06 h70 r90
  text "P0.16" at 2019.54,1963.06 h70 r90
  text "P0.15" at 2119.54,1963.06 h70 r90
  text "P0.14" at 2219.54,1963.06 h70 r90
  text "P0.13" at 2319.54,1963.06 h70 r90
  text "P0.12" at 2419.54,1963.06 h70 r90
  text "P0.11" at 2519.54,1963.06 h70 r90
  text "P0.10" at 2719.54,1963.06 h70 r90
  text "P0.09" at 2819.54,1963.06 h70 r90
  text "P0.08" at 2919.54,1963.06 h70 r90
  text "P0.07" at 3019.54,1963.06 h70 r90
  text "P0.06" at 3119.54,1963.06 h70 r90
  text "P0.05" at 3219.54,1963.06 h70 r90
  text "P0.21" at 3319.54,1963.06 h70 r90
  text "P0.01" at 3419.54,1963.06 h70 r90
  text "P0.00" at 3520.54,1963.07 h70 r90
  text "Debug out" at 15.54,1958.06 h80
  text "LED1" at 3064.54,1871.46 h80
  text "LED2" at 3308.54,1871.46 h80
  text "GPIO" at 2755.54,1734.46 h60
  text "LED3" at 3059.54,1722.46 h80
  text "LED4" at 3309.54,1722.46 h80
  text "XTAL" at 2755.54,1684.46 h60
  text "nRF current" at 142.54,1638.06 h80
  text "measurement" at 123.54,1587.06 h80
  text "P0.24" at 2273.84,1380.24 h60
  text "5V" at 2725.84,1378.24 h60
  text "P0.23" at 2725.84,1281.24 h60
  text "P0.25" at 2271.84,1280.24 h60
  text "DETECT" at 2722.38,1183.06 h60
  text "RESET" at 2241.84,1180.24 h60
  text "NORDIC" at 3842.54,931.07 h150 r90
  text "SEMICONDUCTOR" at 3901.23,927.68 h65 r90
  text "Button 1" at 2920.43,876.92 h90
  text "Button 2" at 3352.43,876.92 h90
  text "External supply" at 90.54,814.06 h80
  text "www.nordicsemi.com" at 3980.45,735.39 h83 r90
  text "-" at 541.54,718.06 h70
  text "Debug in" at 2290.54,629.46 h80
  text "+" at 541.54,618.06 h70
  text "NFC" at 2683.54,504.46 h90
  text "IF BOOT/RESET" at 600.54,442.06 h80
  text "Button 4" at 3354.43,436.36 h90
  text "Button 3" at 2917.43,435.92 h90
  text "VDD" at 1116.29,410.94 h70 r90
  text "VDD" at 1216.29,410.94 h70 r90
  text "RESET" at 1316.29,410.94 h70 r90
  text "VDD" at 1416.29,410.94 h70 r90
  text "5V" at 1516.29,410.94 h70 r90
  text "GND" at 1616.29,410.94 h70 r90
  text "GND" at 1716.29,410.94 h70 r90
  text "P0.03" at 2016.29,410.94 h70 r90
  text "P0.04" at 2116.29,410.94 h70 r90
  text "P0.28" at 2216.29,410.94 h70 r90
  text "P0.29" at 2316.29,410.94 h70 r90
  text "P0.30" at 2416.29,410.94 h70 r90
  text "P0.31" at 2516.29,410.94 h70 r90
  text "GND" at 2646.54,204.06 h70
  text "OFF" at 114.54,73.06 h70
  text "ON" at 249.54,73.06 h70
  text "nRF52 Preview Development Kit" at 2867.03,62.49 h90
  text "GND" at 779.54,29.06 h70
  text "GND" at 2709.54,29.06 h70
  text "Power" at 131.54,19.06 h80
Bottom Overlay:
  drawing of 7314 lines, arcs and shapes, not listed
  text "J-Link" at 363.41,2399.66 h57 r90
  text "www.segger.com" at 408.71,2396.46 h66 r90
  text "TM" at 346.81,2263.06 h37 r90
  text "Pb" at 3806.81,2257.06 h120 r90
  text "S" at 290.21,2254.66 h53 r90
  text "E" at 290.21,2219.63 h53 r90
  text "Technology" at 363.41,2212.56 h57 r90
  text "G" at 290.21,2188.76 h53 r90
  text "G" at 290.21,2149.76 h53 r90
  text "E" at 290.21,2109.46 h53 r90
  text "P0.27" at 759.54,2090.06 h70 r90
  text "P0.26" at 859.54,2090.06 h70 r90
  text "P0.02" at 959.54,2090.06 h70 r90
  text "GND" at 1059.54,2090.06 h70 r90
  text "P0.25" at 1159.54,2090.06 h70 r90
  text "P0.24" at 1259.54,2090.06 h70 r90
  text "P0.23" at 1359.54,2090.06 h70 r90
  text "P0.22" at 1459.54,2090.06 h70 r90
  text "P0.20" at 1559.54,2090.06 h70 r90
  text "P0.19" at 1659.54,2090.06 h70 r90
  text "P0.18" at 1819.54,2090.06 h70 r90
  text "P0.17" at 1919.54,2090.06 h70 r90
  text "P0.16" at 2019.54,2090.06 h70 r90
  text "P0.15" at 2119.54,2090.06 h70 r90
  text "P0.14" at 2219.54,2090.06 h70 r90
  text "P0.13" at 2319.54,2090.06 h70 r90
  text "P0.12" at 2419.54,2090.06 h70 r90
  text "P0.11" at 2519.54,2090.06 h70 r90
  text "P0.10" at 2719.54,2090.06 h70 r90
  text "P0.09" at 2819.54,2090.06 h70 r90
  text "P0.08" at 2919.54,2090.06 h70 r90
  text "P0.07" at 3019.54,2090.06 h70 r90
  text "P0.06" at 3119.54,2090.06 h70 r90
  text "P0.05" at 3219.54,2090.06 h70 r90
  text "P0.21" at 3319.54,2090.06 h70 r90
  text "P0.00" at 3520.54,2089.07 h70 r90
  text "P0.01" at 3418.54,2088.74 h70 r90
  text "R" at 290.21,2076.56 h53 r90
  text "GPIO" at 1186,1837 h78.5 r90
  text "GPIO" at 3009,1833 h78.5 r90
  text "nRF52 target" at 1085,1822 h90 r90
  text "nRF52 target" at 2901,1819 h90 r90
  text "P0.06" at 1766.81,1817.06 h90 r90
  text "P0.00" at 1315.81,1816.06 h90 r90
  text "P0.01" at 1517.81,1816.06 h90 r90
  text "P0.05" at 1666.81,1816.06 h90 r90
  text "P0.07" at 1866.81,1816.06 h90 r90
  text "P0.08" at 1966.81,1816.06 h90 r90
  text "P0.09" at 2096.81,1816.06 h90 r90
  text "P0.10" at 2256.81,1816.06 h90 r90
  text "P0.13" at 3089.81,1815.06 h90 r90
  text "P0.14" at 3195.81,1815.06 h90 r90
  text "P0.15" at 3301.81,1815.06 h90 r90
  text "P0.16" at 3407.81,1815.06 h90 r90
  text "P0.17" at 3513.81,1815.06 h90 r90
  text "P0.18" at 3619.81,1815.06 h90 r90
  text "P0.19" at 3725.81,1815.06 h90 r90
  text "P0.20" at 3831.81,1815.06 h90 r90
  text "Function" at 1184,1571 h78.5 r90
  text "Function" at 3008,1570 h78.5 r90
  text "Button 1" at 3089.81,1542.06 h90 r90
  text "Button 2" at 3195.81,1542.06 h90 r90
  text "Button 3" at 3301.81,1542.06 h90 r90
  text "Button 4" at 3407.81,1542.06 h90 r90
  text "LED 1" at 3513.81,1497.06 h90 r90
  text "LED 2" at 3619.81,1497.06 h90 r90
  text "LED 3" at 3725.81,1497.06 h90 r90
  text "LED 4" at 3831.81,1497.06 h90 r90
  text "NFC2" at 2257,1497 h90 r90
  text "NFC1" at 2099,1495 h90 r90
  text "TXD" at 1765.81,1483.06 h90 r90
  text "RTS" at 1666.81,1481.06 h90 r90
  text "XL1" at 1315.81,1480.06 h90 r90
  text "XL2" at 1516.81,1480.06 h90 r90
  text "CTS" at 1866.81,1480.06 h90 r90
  text "RXD" at 1966.81,1480.06 h90 r90
  text "SB13" at 1666.81,1221.06 h90 r90
  text "SB14" at 1766.81,1220.06 h90 r90
  text "SB15" at 1866.81,1220.06 h90 r90
  text "SB16" at 1966.81,1220.06 h90 r90
  text "SB2" at 1268.81,1200.06 h90 r90
  text "SB1" at 1466.81,1200.06 h90 r90
  text "SB3" at 1566.81,1200.06 h90 r90
  text "SB4" at 1366.81,1199.06 h90 r90
  text "SB5" at 3513.81,1199.06 h90 r90
  text "SB6" at 3619.81,1199.06 h90 r90
  text "SB7" at 3725.81,1199.06 h90 r90
  text "SB8" at 3831.81,1199.06 h90 r90
  text "Short" at 1184,1195 h78.5 r90
  text "Short" at 3009,1190 h78.5 r90
  text "nRF" at 1375.54,913.06 h70 r90
  text "nRF" at 1863.54,913.06 h70 r90
  text "nRF" at 2246.26,913.06 h70 r90
  text "nRF" at 3140.26,912.06 h70 r90
  text "nRF" at 3758.26,912.06 h70 r90
  text "IF MCU" at 1736.81,889.56 h70 r90
  text "PIN" at 3631.54,849.06 h70 r90
  text "PIN" at 3354.54,847.06 h70 r90
  text "HW" at 3008,835 h78.5 r90
  text "HW" at 1184,834 h78.5 r90
  text "PIN" at 2055.81,827.06 h70 r90
  text "VDD" at 3547.81,723.06 h70 r90
  text "NFC" at 2176.81,711.06 h70 r90
  text "PIN" at 1288.04,694.06 h70 r90
  text "PIN" at 1866.54,694.06 h70 r90
  text "RESET" at 1316.29,570.94 h70 r90
  text "P0.29" at 2316.29,534.73 h70 r90
  text "P0.30" at 2416.29,534.38 h70 r90
  text "P0.31" at 2516.29,534.15 h70 r90
  text "P0.04" at 2116.29,533.39 h70 r90
  text "P0.28" at 2216.29,533.8 h70 r90
  text "P0.03" at 2016.29,527.74 h70 r90
  text "GND" at 1616.29,514.91 h70 r90
  text "GND" at 1716.29,514.91 h70 r90
  text "VDD" at 1116.29,509.78 h70 r90
  text "VDD" at 1216.29,509.78 h70 r90
  text "VDD" at 1416.29,509.78 h70 r90
  text "mbed.org" at 450.52,486.24 h66 r90
  text "5V" at 1516.29,467.57 h70 r90
  text "nRF52 Preview Development Kit" at 3849.81,64.06 h100
Mechanical 1:
  the board outline again, w10

## Text inside footprints (layer, text, board x,y; h text height)
LD5: Top Overlay "-" at 861.14,970.7 h30 r180; Top Overlay "+" at 861.14,846.69 h30 r180
P18: Top Overlay "1" at 2503.54,957.24 h27
P19: Top Overlay "1" at 327.73,2043.77 h40 r90